# KiCad board MyCPU.kicad_pcb (continued)
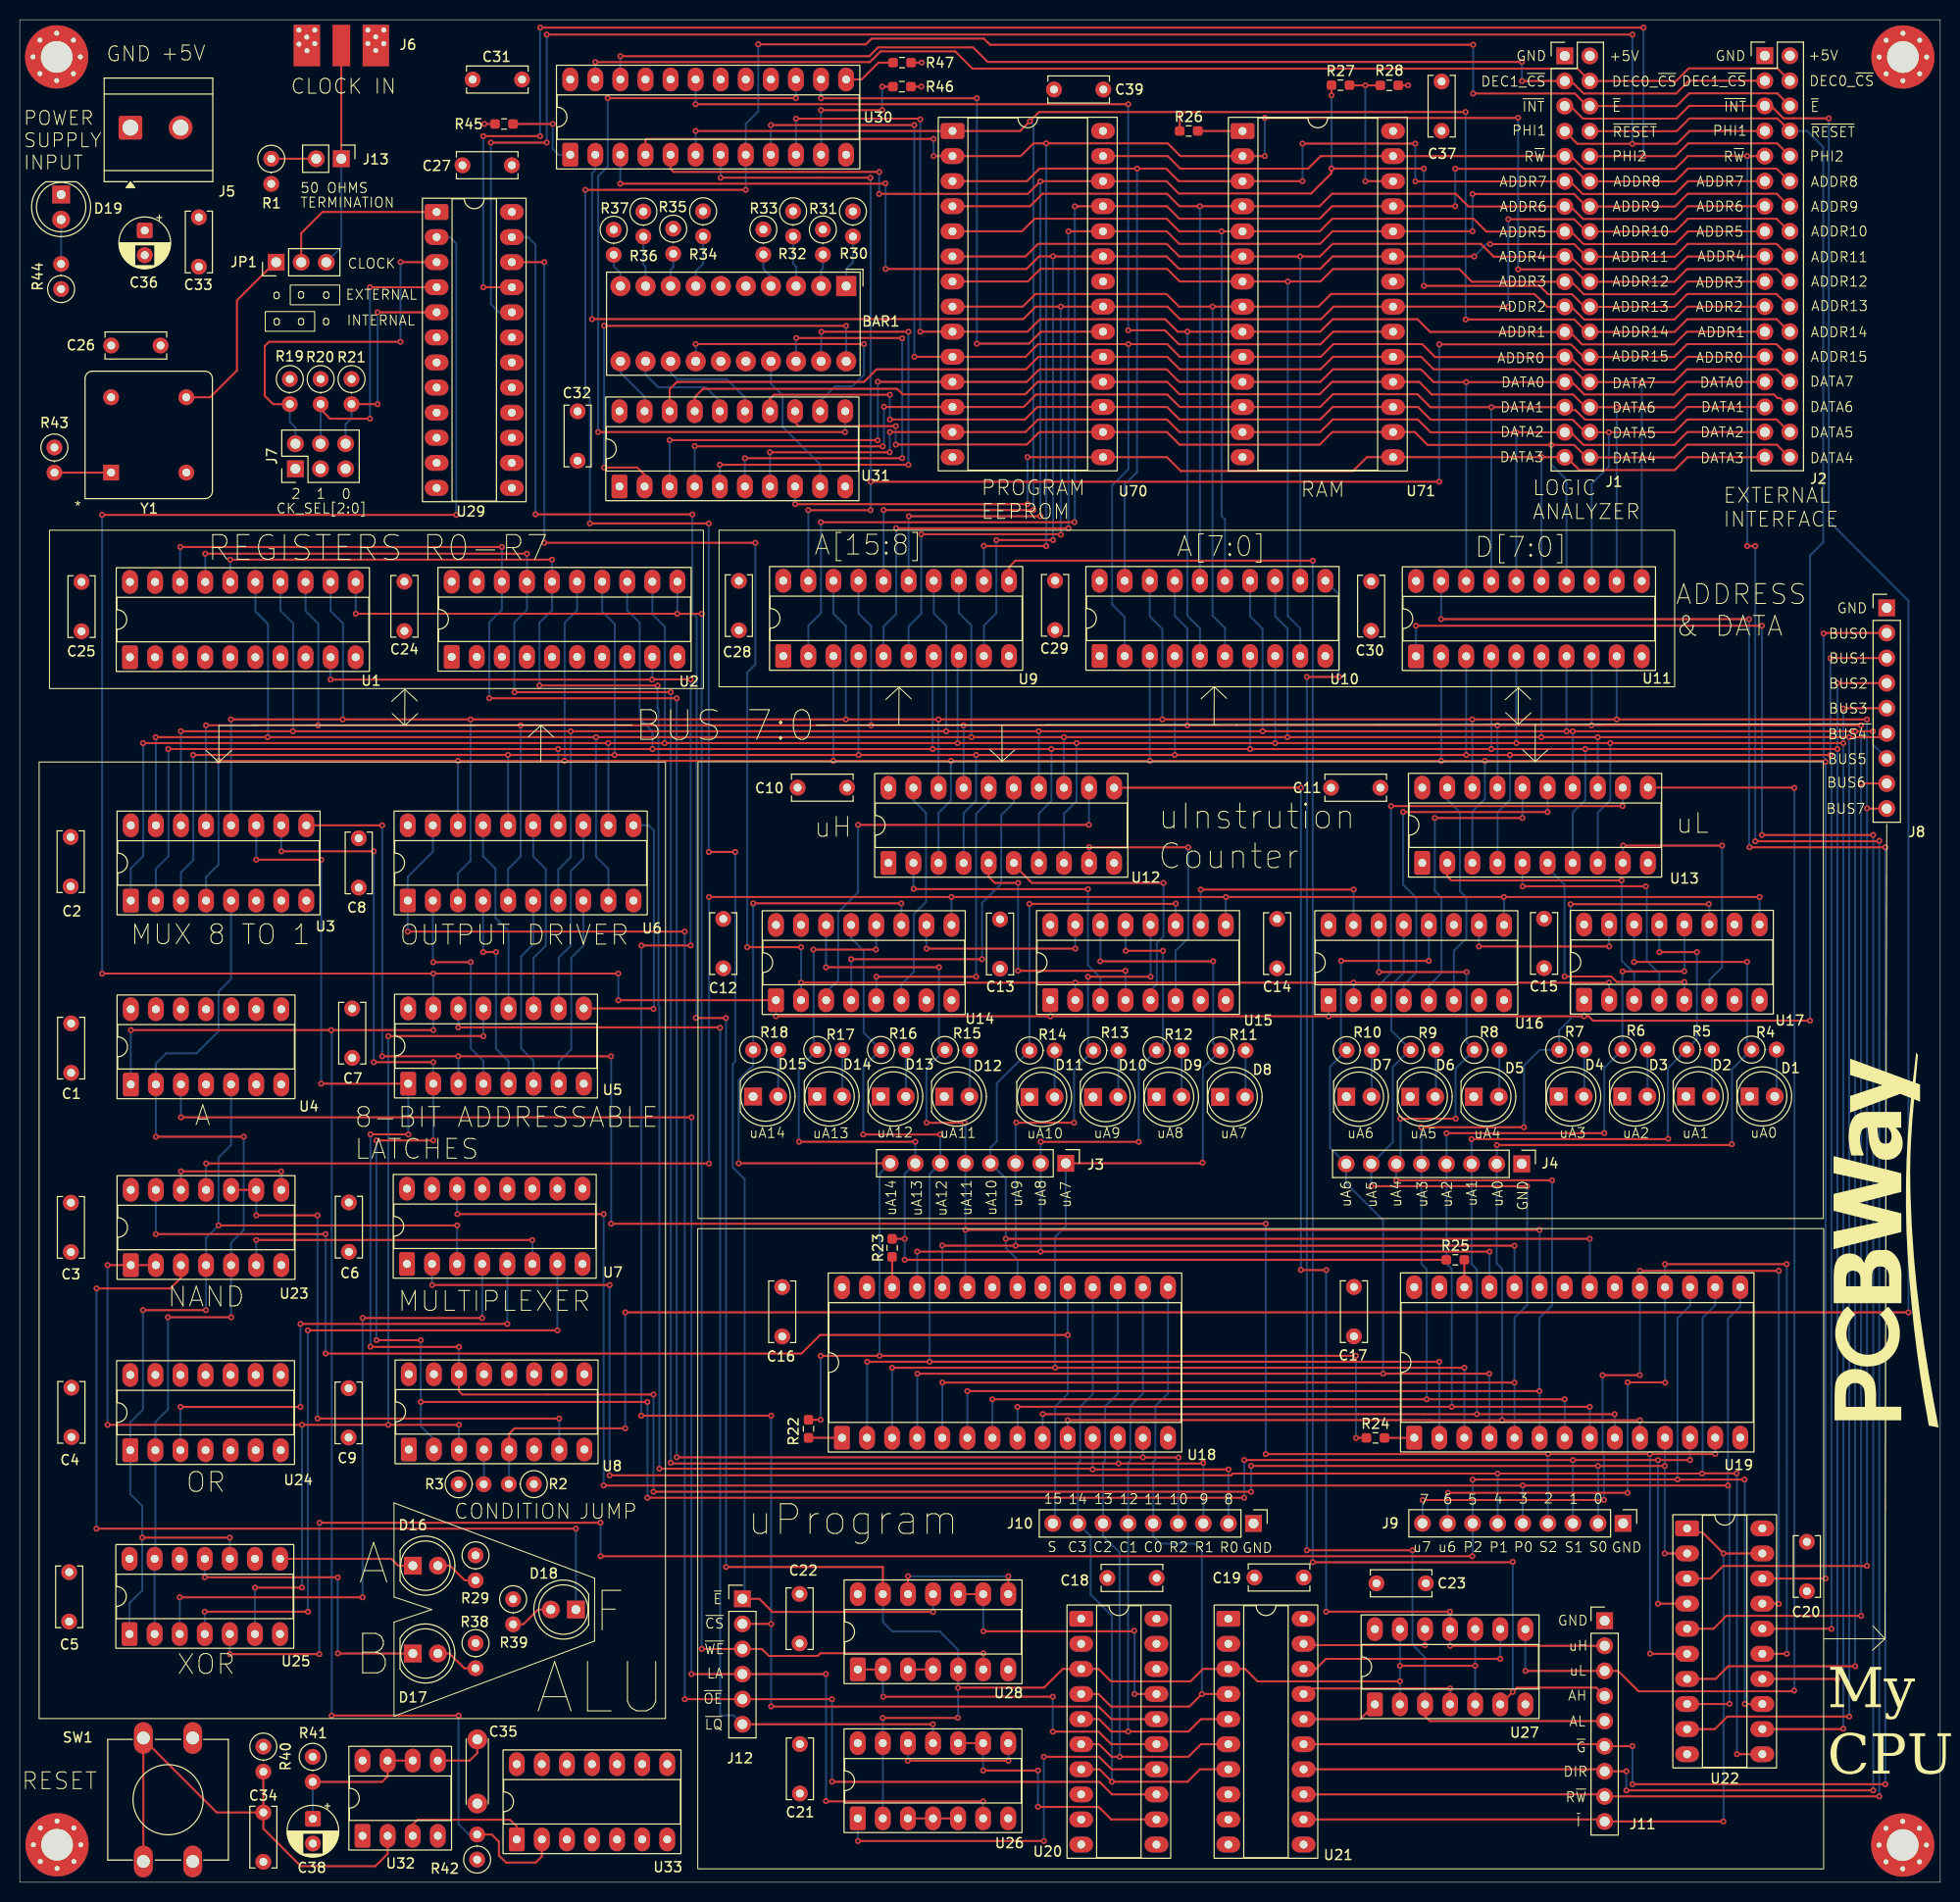
[diagram p0: board, top side]
## Routing (per net, layer and track width the routed paths; a pad name or vN(x,y) marks a point on that pad's centre or on a via; arc(x,y) is an arc through that point) (continued)
DATA3: length 119.5
  Top w0.2: v1(102.06,139.51) v1(78.53,139.51) ; 176.67,144.27 168.91,144.27 167.61,142.96 157.95,142.96 156.64,144.27 v1(154.12,144.27) 136.44,144.27 135.03,142.86 117.58,142.86 116.17,144.27 v1(102.06,144.27)
  Bottom w0.2: U31.8 78.53,141.29 v1(78.53,139.51) ; v1(154.12,144.27) 154.11,144.27 U11.15 ; v1(102.06,144.27) v1(102.06,139.51)
DATA4: length 122
  Top w0.2: U31.13 78.52,147.78 78.89,147.41 v1(88.72,147.41) ; 179.2,144.27 177.94,145.54 168.87,145.54 167.58,144.25 158.67,144.25 157.41,145.51 v1(155.11,145.51) 142.58,145.51 141.28,146.81 132.93,146.81 131.66,145.54 117.45,145.54 116.18,146.81 103.25,146.81 101.99,145.55 88.73,145.55 v1(88.72,145.54)
  Bottom w0.2: U11.14 156.65,141.98 155.11,143.52 v1(155.11,145.51) ; v1(88.72,145.54) v1(88.72,147.41)
DATA5: length 127
  Top w0.2: v1(88.12,148.08) 101.8,148.08 103.07,149.35 116.19,149.35 117.45,148.09 131.7,148.09 132.97,149.35 141.61,149.35 142.89,148.06 157.28,148.06 158.18,147.16 158.83,147.16 159.2,146.79 v1(160.94,146.79) 167.58,146.79 168.88,148.09 177.93,148.09 179.2,146.81 179.2,146.44 ; U31.14 75.98,150.19 76.38,150.59 v1(88.12,150.59)
  Bottom w0.2: v1(88.12,148.08) v1(88.12,150.59) ; U11.13 159.19,141.56 160.94,143.31 v1(160.94,146.79)
DATA6: length 134.4
  Top w0.2: 179.2,149.04 179.2,149.35 178.29,150.26 178,150.26 177.66,150.61 168.86,150.61 167.57,149.33 v1(161.73,149.33) 158.59,149.33 157.31,150.61 143.01,150.61 141.73,151.89 132.91,151.89 131.66,150.64 117.45,150.64 116.2,151.89 103.09,151.89 101.83,150.63 89.42,150.63 88.86,151.2 69.2,151.2 68.36,150.35 U31.17
  Bottom w0.2: U11.12 v1(161.73,149.33)
DATA7: length 140.8
  Top w0.2: 179.2,151.41 179.2,151.89 177.93,153.16 168.86,153.16 167.56,151.87 v1(164.27,151.87) 158.68,151.87 157.39,153.15 157.39,153.16 143.2,153.16 141.93,154.43 133,154.43 131.73,153.16 117.48,153.16 116.21,154.43 103.17,154.43 101.9,153.16 86.77,153.16 85.5,151.89 66.56,151.89 65.82,151.15 U31.18
  Bottom w0.2: U11.11 v1(164.27,151.87)
DEC0_~{CS}: length 125.5
  Top w0.2: J2.4 178.01,183.63 169.03,183.63 167.75,182.35 J1.4 157.75,183.61 96.48,183.61 94.74,185.35 87.18,185.35 86.09,184.26 v1(58.29,184.26)
  Bottom w0.2: 58.29,182.51 v1(58.29,184.26)
DEC1_~{CS}: length 122.2
  Top w0.2: v1(60.83,184.86) 86.03,184.86 86.92,185.76 96.56,185.76 98.03,184.28 v1(152.13,184.28) ; v1(152.13,182.35) J1.3 157.11,182.35 158.38,181.08 167.75,181.08 169.04,182.38 J2.3
  Bottom w0.2: 60.83,182.51 v1(60.83,184.86) ; v1(152.13,182.35) v1(152.13,184.28)
DIR: length 227
  Top w0.2: v1(176.44,127.2) v1(141.41,127.2) ; v1(187.71,106.02) v1(176.44,106.02) ; v1(162.71,11.23) J11.7 160.31,11.44 U21.14 ; v1(162.71,9.29) v1(187.71,9.29)
  Bottom w0.2: v1(176.44,106.02) v1(176.44,127.2) ; v1(187.71,106.02) v1(187.71,9.29) ; v1(162.71,11.23) v1(162.71,9.29) ; v1(141.41,127.2) U11.1
EEPROM_~{CS}: length 55.8
  Top w0.2: v1(96.94,155.76) 102.2,155.76 103.41,156.97 109.7,156.97 ; v1(96.93,180.6) v1(81.15,180.6)
  Bottom w0.2: v1(96.94,155.76) 96.94,180.59 v1(96.93,180.6) ; 81.15,182.51 v1(81.15,180.6)
LA: length 155.5
  Top w0.2: v1(97.57,8.19) 81.68,8.19 v1(81.65,8.21) ; v1(68.03,21.07) J12.4 v1(81.65,21.07) ; v1(16.33,77.44) v1(68.03,77.44)
  Bottom w0.2: v1(81.65,8.21) 81.66,8.22 81.66,21.06 v1(81.65,21.07) ; U4.3 16.33,77.45 v1(16.33,77.44) ; U26.6 v1(97.57,8.19) ; v1(68.03,77.44) v1(68.03,21.07)
LED_PORT_CLK: length 82.3
  Top w0.2: v1(78.6,180.61) v1(59.54,180.61) ; v1(58.58,146.81) v1(83.58,146.81) 83.57,146.8
  Bottom w0.2: v1(83.58,146.81) 83.6,146.83 U31.11 ; v1(59.54,180.61) 59.55,180.6 59.55,173.69 58.58,172.72 v1(58.58,146.81) ; 78.61,182.51 78.6,182.5 v1(78.6,180.61)
P0: length 209.7
  Top w0.2: v1(173.15,18.06) 173.13,18.04 U22.8 ; v1(59.13,40.16) 59.14,40.15 152.2,40.15 v1(152.22,40.17) 152.23,40.16 v1(173,40.16) ; v1(59.14,67.64) v1(44.32,67.64)
  Bottom w0.2: v1(59.14,67.64) 59.14,40.17 v1(59.13,40.16) ; v1(44.32,67.64) 44.3,67.67 U7.14 ; J9.5 v1(152.22,40.17) ; U19.15 174.25,58.3 173,57.05 v1(173,40.16) 173.15,40.01 173.15,18.07 v1(173.15,18.06)
P1: length 209.2
  Top w0.2: 59.91,60.46 v1(59.74,60.46) v1(41.77,60.46) ; v1(173.88,41.39) 170.4,41.39 v1(170.38,41.37) v1(149.67,41.37) 122.88,41.37 122.7,41.19 59.74,41.19 v1(59.74,41.19) ; U22.11 v1(173.91,12.96)
  Bottom w0.2: v1(149.67,41.37) 149.68,41.36 J9.6 ; U7.2 41.75,60.48 v1(41.77,60.46) ; v1(173.91,12.96) 173.91,41.36 v1(173.88,41.39) ; 171.7,60.24 171.7,58.42 171.01,57.72 171.01,57.71 170.43,57.13 170.43,41.42 v1(170.38,41.37) ; v1(59.74,41.19) v1(59.74,60.46)
P2: length 224.3
  Top w0.2: v1(58.82,36.39) v1(30.36,36.39) ; v1(147.11,33) v1(58.83,33) ; v1(147.15,40.75) 147.17,40.77 v1(167.89,40.77) 167.9,40.76 v1(174.69,40.76) ; U22.13 174.72,18.04 v1(174.71,18.06) ; v1(30.34,23.09) v1(21.28,23.09)
  Bottom w0.2: v1(147.11,33) 147.14,33.03 J9.7 147.14,40.74 v1(147.15,40.75) ; v1(30.34,23.09) 30.34,36.38 v1(30.36,36.39) ; v1(58.83,33) 58.83,36.38 v1(58.82,36.39) ; v1(174.71,18.06) 174.7,18.06 174.7,40.75 v1(174.69,40.76) ; U19.17 169.17,58.39 167.89,57.11 v1(167.89,40.77) ; U25.5 v1(21.28,23.09)
Phi1: length 192.3
  Top w0.2: v1(79.13,91.07) v1(106.91,91.07) v1(135.08,91.07) v1(160.95,91.07) ; U29.22 v1(53.13,164.01) ; v1(79.13,94.66) v1(73.68,94.66) ; v1(74.5,135.6) v1(53.13,135.6)
  Bottom w0.2: v1(79.13,94.66) v1(79.13,91.07) 79.12,91.06 U14.2 ; 135.08,89.29 135.08,89.3 v1(135.08,91.07) ; v1(160.95,91.07) 160.95,89.34 U17.2 ; v1(106.91,91.07) U15.2 ; v1(74.5,135.6) 74.5,123.29 73.68,122.47 v1(73.68,94.66) ; v1(53.13,135.6) v1(53.13,164.01)
Phi1_b: length 177.8
  Top w0.2: J1.7 157.75,175.99 v1(163.31,175.99) 167.82,175.99 169.12,177.29 J2.7 ; v1(47.71,176.11) 53.36,176.11 v1(53.37,176.12) ; v1(53.37,187.05) v1(163.32,187.05)
  Bottom w0.2: v1(163.31,175.99) 163.32,176 v1(163.32,187.05) ; U29.20 48.53,158.93 47.71,159.75 v1(47.71,176.11) ; v1(53.37,176.12) v1(53.37,187.05)
Phi2: length 280.6
  Top w0.2: v1(68.46,87.5) 68.47,87.49 v1(71.52,87.49) ; v1(139.78,21.91) 147.39,21.91 v1(147.4,21.92) ; v1(52.23,138.48) 68.11,138.48 v1(68.12,138.47) ; v1(95,16.64) 94.99,16.63 v1(87.41,16.63) ; v1(95.03,19.69) 95.05,19.7 103.74,19.7 105.63,21.59 U20.3 109.26,21.59 110.52,20.33 118.57,20.33 119.83,21.59 U21.3 124.1,21.59 125.36,20.33 139.77,20.33 v1(139.78,20.34) ; U28.13 87.42,31.91 87.42,31.91 v1(71.53,31.91)
  Bottom w0.2: U29.23 51.47,166.55 52.23,165.79 v1(52.23,138.48) ; v1(68.46,87.5) 68.55,87.6 68.55,128.07 68.12,128.51 v1(68.12,138.47) ; U28.13 87.42,26.34 88.36,25.39 93.17,25.39 95.04,23.53 U28.5 95.04,19.69 v1(95.03,19.69) 95.03,16.67 v1(95,16.64) ; U27.13 v1(139.78,21.91) v1(139.78,20.34) U27.2 ; U27.5 v1(147.4,21.92) U27.10 ; v1(71.53,31.91) 71.53,87.48 v1(71.52,87.49) ; U26.2 U26.13 v1(87.41,16.63)
Phi2_b: length 181
  Top w0.2: v1(52.72,187.75) v1(164.45,187.75) ; J1.10 164.15,174.73 164.16,174.74 v1(164.45,174.74) 167.68,174.74 168.97,176.03 177.99,176.03 J2.10 ; v1(46.94,176.77) 52.69,176.77 v1(52.7,176.76) ; U29.21 v1(46.94,161.47)
  Bottom w0.2: v1(164.45,187.75) v1(164.45,174.74) ; v1(52.72,187.75) 52.7,187.73 v1(52.7,176.76) ; v1(46.94,161.47) v1(46.94,176.77)
R0: length 205.8
  Top w0.2: v1(64.78,41.86) 108.59,41.86 v1(108.66,41.79) 122.42,41.79 v1(122.42,41.79) ; v1(21.31,133.9) v1(53.91,133.9) ; v1(64.6,121.14) 64.59,121.15 v1(52.64,121.15)
  Bottom w0.2: v1(52.64,121.15) 52.63,121.16 52.63,127.5 53.91,128.78 U2.16 53.91,133.89 v1(53.91,133.9) ; J10.2 122.41,41.78 v1(122.42,41.79) ; U18.11 108.67,41.8 v1(108.66,41.79) ; v1(64.6,121.14) 64.6,118.82 64.69,118.74 64.69,88.76 64.78,88.67 v1(64.78,41.86) ; v1(21.31,133.9) 21.33,133.88 U1.16
R1: length 206.6
  Top w0.2: v1(18.78,134.5) v1(51.36,134.5) ; v1(65.94,42.47) 66.01,42.39 v1(111.28,42.39) 119.81,42.39 v1(119.86,42.44) ; v1(50.1,120.48) v1(65.94,120.48)
  Bottom w0.2: v1(119.86,42.44) 119.87,42.43 J10.3 ; v1(51.36,134.5) 51.36,134.17 51.37,134.17 U2.17 51.37,128.81 50.09,127.53 50.09,120.49 v1(50.1,120.48) ; 18.78,131.64 v1(18.78,134.5) ; U18.12 111.21,42.46 v1(111.28,42.39) ; v1(65.94,120.48) v1(65.94,42.47)
R2: length 207.3
  Top w0.2: v1(47.55,119.86) v1(66.53,119.86) ; v1(117.36,42.99) 117.35,43 v1(113.75,43) 113.74,43.01 66.54,43.01 v1(66.53,43.02) ; v1(16.26,135.17) v1(48.84,135.17)
  Bottom w0.2: U18.13 v1(113.75,43) ; v1(48.84,135.17) 48.83,135.16 U2.18 48.83,128.82 47.55,127.54 v1(47.55,119.86) ; J10.4 117.33,42.96 v1(117.36,42.99) ; v1(66.53,119.86) v1(66.53,43.02) ; v1(16.26,135.17) 16.25,135.16 16.25,131.64
RAM_~{CS}: length 97.1
  Top w0.2: U71.20 133,156.97 131.73,155.69 117.4,155.69 115.98,157.11 v1(112.26,157.11) ; v1(68.45,180) v1(112.26,180)
  Bottom w0.2: v1(112.26,157.11) v1(112.26,180) ; v1(68.45,180) 68.45,182.51
R~{W}: length 307.4
  Top w0.2: 156.67,174.73 157.11,174.73 158.37,173.46 167.66,173.46 168.95,174.75 v1(174.95,174.75) 174.95,174.75 176.67,174.75 ; 156.67,174.73 157.09,174.73 ; 156.67,174.73 156.53,174.73 156.5,174.75 U71.27 136.94,174.75 136.94,174.75 131.75,174.75 130.48,173.48 117.53,173.48 116.26,174.75 109.7,174.75 ; v1(175.77,105.38) 188.27,105.38 v1(188.32,105.43) ; v1(174.95,135.27) v1(175.77,135.27) ; U21.13 160.31,8.89 J11.8 v1(188.32,8.69)
  Bottom w0.2: v1(188.32,8.69) v1(188.32,105.43) ; v1(175.77,135.27) v1(175.77,105.38) ; v1(174.95,174.75) v1(174.95,135.27)
S: length 134.2
  Top w0.2: v1(106.13,55.4) 81.05,55.4 79.17,53.52 v1(30.98,53.52) ; v1(13.78,65.62) v1(30.98,65.62)
  Bottom w0.2: v1(30.98,53.52) v1(30.98,65.62) ; U23.13 13.78,65.62 v1(13.78,65.62) ; U18.19 v1(106.13,55.4) 106.13,49.42 104.86,48.15 104.86,36.56 J10.9
S0: length 240
  Top w0.2: v1(23.96,103.52) v1(30.53,103.52) ; v1(124.7,39.53) v1(64.18,39.53) ; v1(35.52,75.71) 39.34,75.71 v1(39.36,75.69) ; v1(30.53,80.84) U5.1 ; U8.14 44.48,49.72 44.83,49.37 v1(64.18,49.37) ; v1(166.59,33.28) U22.2 ; v1(44.48,54.19) 35.54,54.19 v1(35.52,54.21) ; v1(166.6,42.13) 166.59,42.14 v1(159.84,42.14) v1(124.7,42.14)
  Bottom w0.2: v1(124.7,42.14) v1(124.7,39.53) ; v1(44.48,54.19) U8.14 ; v1(35.52,75.71) v1(35.52,54.21) ; v1(39.36,75.69) 39.34,75.71 U5.1 ; U3.11 23.94,103.53 v1(23.96,103.52) ; U19.11 166.62,42.16 v1(166.6,42.13) 166.6,33.29 v1(166.59,33.28) ; J9.2 v1(159.84,42.14) ; v1(30.53,103.52) v1(30.53,80.84) ; v1(64.18,49.37) v1(64.18,39.53)
S1: length 257.6
  Top w0.2: v1(35.86,104.37) v1(26.5,104.37) ; v1(35.86,83.02) v1(41.88,83.02) ; U22.4 v1(165.91,28.2) ; v1(124.01,38.92) v1(63.57,38.92) ; v1(41.88,75.09) v1(36.12,75.09) ; v1(124.01,42.74) v1(157.31,42.74) v1(165.91,42.74) v1(169.15,42.74) ; v1(36.13,54.87) v1(40.62,54.87) ; v1(40.62,48.62) v1(63.57,48.62)
  Bottom w0.2: v1(169.15,42.74) 169.17,42.76 U19.12 ; v1(165.91,28.2) v1(165.91,42.74) ; U3.10 26.49,104.39 v1(26.5,104.37) ; v1(40.62,54.87) 40.62,46.16 41.94,44.84 U8.2 ; v1(35.86,104.37) v1(35.86,83.02) ; v1(63.57,48.62) v1(63.57,38.92) ; v1(124.01,42.74) v1(124.01,38.92) ; v1(157.31,42.74) 157.3,42.73 J9.3 ; v1(36.13,54.87) 36.12,54.88 v1(36.12,75.09) ; v1(41.88,75.09) U5.2 v1(41.88,83.02)
S2: length 241.7
  Top w0.2: v1(36.71,106.99) 36,106.99 36,107 U3.9 ; v1(165.11,23.14) 165.13,23.12 U22.6 ; v1(171.71,43.36) 171.69,43.34 v1(165.08,43.34) v1(154.77,43.34) v1(126.19,43.34) ; v1(59.88,83.61) 59.88,83.62 v1(44.41,83.62) v1(36.71,83.62) ; v1(126.19,66.66) v1(59.89,66.66)
  Bottom w0.2: v1(59.89,66.66) 59.89,83.6 v1(59.88,83.61) ; v1(171.71,43.36) 171.71,45 171.7,45 ; v1(126.19,43.34) v1(126.19,66.66) ; U5.3 44.42,83.6 v1(44.41,83.62) ; v1(165.11,23.14) 165.11,43.31 v1(165.08,43.34) ; v1(36.71,106.99) v1(36.71,83.62) ; v1(154.77,43.34) 154.76,43.33 J9.4
uA0: length 148.2
  Top w0.2: v1(106.12,46.78) 142.85,46.78 142.86,46.77 v1(150.12,46.77) v1(164.08,46.77) ; v1(173.39,74.71) 173.31,74.63 v1(149.6,74.63) ; v1(163.49,93.15) 163.5,93.17 v1(174.94,93.17)
  Bottom w0.2: v1(106.12,46.78) 106.13,46.77 U18.10 ; v1(174.94,93.17) 174.94,84.74 R4.1 173.41,82.31 173.41,74.72 v1(173.39,74.71) ; U17.14 163.5,93.17 v1(163.49,93.15) ; v1(164.08,46.77) 164.08,46.77 164.08,45 ; v1(149.6,74.63) 149.6,72.74 J4.2 149.57,62.64 150.12,62.09 v1(150.12,46.77)
uA1: length 137.4
  Top w0.2: v1(103.6,47.39) 103.61,47.38 v1(147.57,47.38) v1(161.53,47.38) ; v1(166.94,75.26) 166.92,75.23 v1(147.03,75.23) ; v1(169.85,94.16) v1(166.06,94.16)
  Bottom w0.2: U17.13 166.05,94.18 v1(166.06,94.16) ; v1(103.6,47.39) 103.59,47.38 U18.9 ; v1(169.85,94.16) 169.86,94.15 169.86,85.32 R5.1 166.92,82.38 166.92,75.29 v1(166.94,75.26) ; v1(147.03,75.23) 147.03,74.9 147.04,74.89 J4.3 147.04,62.58 147.57,62.04 v1(147.57,47.38) ; U19.9 161.55,47.37 v1(161.53,47.38)
uA2: length 136.5
  Top w0.2: 144.5,75.83 v1(144.5,75.83) 160.47,75.83 v1(160.48,75.84) ; v1(101.04,48.12) 101.05,48.13 v1(145.03,48.13) v1(159,48.13) ; v1(168.57,92.22) 168.56,92.21 v1(162.32,92.21)
  Bottom w0.2: R6.1 162.31,84.36 162.19,84.49 ; R6.1 162.31,92.2 v1(162.32,92.21) ; R6.1 160.48,82.45 v1(160.48,75.84) ; v1(145.03,48.13) 145.03,62.07 144.5,62.61 J4.4 v1(144.5,75.83) ; 159,45 v1(159,48.13) ; U18.8 101.05,48.11 v1(101.04,48.12) ; 168.58,96.95 168.58,92.23 v1(168.57,92.22)
uA3: length 145.7
  Top w0.2: v1(171.06,99.03) 171.04,99.01 v1(157.06,99.01) ; v1(156.45,48.89) v1(142.49,48.89) 98.51,48.89 v1(98.5,48.88) ; v1(141.94,76.43) v1(152.33,76.43)
  Bottom w0.2: v1(141.94,76.43) 141.95,76.41 J4.5 141.95,62.6 142.49,62.06 v1(142.49,48.89) ; U19.7 156.47,48.88 v1(156.45,48.89) ; v1(171.06,99.03) 171.12,98.96 U17.11 ; v1(157.06,99.01) 157.06,87.39 155.91,86.25 R7.1 153.94,84.27 152.35,82.67 152.35,76.44 v1(152.33,76.43) ; v1(98.5,48.88) 98.51,48.87 U18.7
uA4: length 146.7
  Top w0.2: v1(145.43,77.29) 145.42,77.3 v1(139.82,77.3) ; v1(95.97,49.72) v1(153.91,49.72) ; v1(155.19,71.06) v1(139.4,71.06) ; v1(146.54,92.14) v1(137.66,92.14)
  Bottom w0.2: v1(139.4,71.06) 139.4,72.71 J4.6 139.82,73.13 v1(139.82,77.3) ; v1(95.97,49.72) U18.6 ; v1(137.66,92.14) 137.62,92.17 U16.14 ; v1(155.19,71.06) 155.19,58.41 153.91,57.13 v1(153.91,49.72) 153.93,49.7 U19.6 ; v1(146.54,92.14) 146.51,92.12 146.51,85.05 R8.1 145.41,82.36 145.41,77.31 v1(145.43,77.29)
uA5: length 134.8
  Top w0.2: v1(152.66,70.46) v1(136.88,70.46) ; v1(151.38,50.58) v1(93.43,50.58)
  Bottom w0.2: v1(136.88,70.46) 136.88,70.74 136.88,70.75 J4.7 139.06,74.9 139.06,82.54 140.76,84.25 R9.1 138.91,86.23 138.91,90.82 140.17,92.08 U16.13 ; v1(152.66,70.46) 152.66,58.44 151.38,57.16 v1(151.38,50.58) 151.38,50.58 151.38,45 ; v1(93.43,50.58) U18.5
uA6: length 128.4
  Top w0.2: v1(90.91,51.48) v1(138.08,51.48) v1(148.83,51.48) ; v1(133.82,93.27) v1(142.7,93.27)
  Bottom w0.2: v1(138.08,51.48) 138.08,67.01 134.33,70.76 J4.8 132.69,74.36 132.69,82.54 R10.1 133.81,84.8 133.81,93.26 v1(133.82,93.27) ; U19.4 148.85,51.47 v1(148.83,51.48) ; U18.4 90.89,51.46 v1(90.91,51.48) ; v1(142.7,93.27) 142.7,96.91
uA7: length 143.7
  Top w0.2: J3.1 119.73,72.78 v1(119.8,72.85) ; v1(120.87,93.23) v1(109.44,93.23) ; v1(88.35,52.08) v1(104.86,52.08) v1(146.31,52.08)
  Bottom w0.2: v1(88.35,52.08) U18.3 ; v1(119.8,72.85) 119.82,72.88 119.82,82.44 R11.1 120.87,84.95 v1(120.87,93.23) ; J3.1 105.94,66.41 104.85,65.32 104.85,52.09 v1(104.86,52.08) ; U19.3 v1(146.31,52.08) ; v1(109.44,93.23) 109.44,93.24 U15.14
uA8: length 113
  Top w0.2: v1(113.32,74.95) 103.42,74.95 v1(103.41,74.96) ; v1(115.79,94.29) v1(112.01,94.29) ; v1(90.89,63.84) v1(103.39,63.84) v1(148.86,63.84)
  Bottom w0.2: v1(113.32,74.95) 113.32,82.42 R12.1 115.79,84.88 v1(115.79,94.29) ; U19.25 148.85,63.83 v1(148.86,63.84) ; v1(103.41,74.96) 103.39,74.95 J3.2 103.39,63.85 v1(103.39,63.84) ; v1(90.89,63.84) U18.25 ; U15.13 111.99,94.32 v1(112.01,94.29)
uA9: length 112.2
  Top w0.2: v1(108.19,91.67) v1(114.53,91.67) ; v1(93.42,64.46) 93.44,64.44 v1(100.85,64.44) v1(151.38,64.44) ; v1(100.93,76.92) 100.95,76.89 v1(106.78,76.89)
  Bottom w0.2: U15.12 114.53,91.67 v1(114.53,91.67) ; 151.38,60.24 151.38,64.44 v1(151.38,64.44) ; v1(93.42,64.46) 93.43,64.45 U18.24 ; v1(100.93,76.92) 100.86,76.85 J3.3 100.86,64.45 v1(100.85,64.44) ; v1(108.19,91.67) 108.19,84.74 R13.1 106.78,82.26 v1(106.78,76.89)
uA10: length 122.6
  Top w0.2: v1(102.25,99.04) 117.06,99.04 v1(117.08,99.07) ; v1(159,65.14) v1(99.86,65.14)
  Bottom w0.2: v1(117.08,99.07) 117.06,99.05 U15.11 ; 159,60.24 v1(159,65.14) ; v1(102.25,99.04) 102.27,99.03 R14.1 98.95,80.89 98.95,75.03 98.31,74.39 J3.4 99.86,71.24 v1(99.86,65.14) 99.86,64.22 101.05,63.03 U18.21
uA11: length 117.1
  Top w0.2: v1(81.66,92.62) 81.67,92.63 v1(93.1,92.63) ; v1(153.91,66.04) v1(95.78,66.04) ; v1(91.83,76.88) v1(95.69,76.88)
  Bottom w0.2: U19.23 153.93,66.02 v1(153.91,66.04) ; R15.1 93.69,84.44 93.1,85.03 v1(93.1,92.63) ; R15.1 93.62,84.25 ; R15.1 91.82,82.39 91.82,76.89 v1(91.83,76.88) ; U14.14 81.67,92.63 v1(81.66,92.62) ; v1(95.69,76.88) 95.78,76.8 v1(95.78,66.04) 95.78,60.43 U18.23
uA12: length 127.8
  Top w0.2: v1(143.75,52.69) v1(92.15,52.69) v1(85.82,52.69) ; v1(85.43,75.69) v1(93.22,75.69)
  Bottom w0.2: U14.13 84.2,95.57 85.47,94.31 85.47,86.01 R16.1 87.19,84.25 85.44,82.49 85.44,75.7 v1(85.43,75.69) ; 143.76,45 143.76,52.68 v1(143.75,52.69) ; U18.2 85.81,52.68 v1(85.82,52.69) ; v1(92.15,52.69) 92.15,71.7 J3.6 93.24,75.67 v1(93.22,75.69)
uA13: length 109.6
  Top w0.2: v1(78.93,74.96) v1(90.69,74.96) ; v1(89.62,65.14) 88.36,65.14 R23.1 ; v1(86.72,94.41) 86.7,94.42 v1(80.38,94.42) ; R25.1 v1(89.62,63.01)
  Bottom w0.2: U14.12 86.75,94.44 v1(86.72,94.41) ; v1(90.69,74.96) J3.7 89.62,71.71 v1(89.62,65.14) v1(89.62,63.01) ; v1(80.38,94.42) 80.39,94.4 80.39,84.63 R17.1 78.9,82.38 78.9,74.99 v1(78.93,74.96)
uA14: length 150.7
  Top w0.2: J3.8 v1(72.81,72.78) ; v1(81.11,46.81) 81.11,46.82 R22.1 ; v1(135.33,53.29) v1(87.08,53.29) v1(81.11,53.29) ; v1(74.28,99.1) 89.27,99.1 v1(89.28,99.09) ; R24.1 v1(135.33,44.98)
  Bottom w0.2: J3.8 87.08,71.71 v1(87.08,53.29) ; v1(81.11,46.81) v1(81.11,53.29) ; v1(72.81,72.78) 72.81,81.2 74.28,82.67 R18.1 v1(74.28,99.1) ; v1(135.33,44.98) v1(135.33,53.29) ; U14.11 89.29,99.09 v1(89.28,99.09)
uH: length 136.6
  Top w0.2: v1(129.75,110.8) 129.42,110.8 129.42,110.81 U12.11 ; v1(132.32,61.97) 129.76,61.97 v1(129.75,61.98) ; v1(144.85,27.39) v1(132.3,27.39) ; J11.2 v1(144.86,23.94)
  Bottom w0.2: v1(144.85,27.39) 144.86,27.38 U27.11 v1(144.86,23.94) ; v1(129.75,61.98) v1(129.75,110.8) ; v1(132.32,61.97) 132.3,61.95 v1(132.3,27.39)